# KiCad board SparkFun_BMV080_panelized.kicad_pcb (continued)
## Placement (name value [footprint] x y rotation side) (continued)
FID3#27  Fiducial_0.5mm  [Fiducial_0.5mm_Mask1mm]  128.87 84.91 270 bottom
FID3#28  Fiducial_0.5mm  [Fiducial_0.5mm_Mask1mm]  104.23 32.11 270 bottom
FID3#29  Fiducial_0.5mm  [Fiducial_0.5mm_Mask1mm]  104.23 111.31 270 bottom
FID3#30  Fiducial_0.5mm  [Fiducial_0.5mm_Mask1mm]  128.87 45.31 270 bottom
FID3#31  Fiducial_0.5mm  [Fiducial_0.5mm_Mask1mm]  153.5 45.31 270 bottom
FID3#32  Fiducial_0.5mm  [Fiducial_0.5mm_Mask1mm]  128.87 71.72 270 bottom
FID3#33  Fiducial_0.5mm  [Fiducial_0.5mm_Mask1mm]  79.61 124.52 270 bottom
FID3#34  Fiducial_0.5mm  [Fiducial_0.5mm_Mask1mm]  104.23 71.72 270 bottom
FID3#35  Fiducial_0.5mm  [Fiducial_0.5mm_Mask1mm]  128.87 18.91 270 bottom
FID3#36  Fiducial_0.5mm  [Fiducial_0.5mm_Mask1mm]  153.5 18.91 270 bottom
FID3#37  Fiducial_0.5mm  [Fiducial_0.5mm_Mask1mm]  104.23 45.31 270 bottom
FID3#38  Fiducial_0.5mm  [Fiducial_0.5mm_Mask1mm]  104.23 124.52 270 bottom
FID3#39  Fiducial_0.5mm  [Fiducial_0.5mm_Mask1mm]  128.87 32.11 270 bottom
FID3#40  Fiducial_0.5mm  [Fiducial_0.5mm_Mask1mm]  79.61 98.11 270 bottom
FID3#41  Fiducial_0.5mm  [Fiducial_0.5mm_Mask1mm]  79.61 111.31 270 bottom
FID3#42  Fiducial_0.5mm  [Fiducial_0.5mm_Mask1mm]  104.23 18.91 270 bottom
FID3#43  Fiducial_0.5mm  [Fiducial_0.5mm_Mask1mm]  104.23 84.91 270 bottom
FID3#44  Fiducial_0.5mm  [Fiducial_0.5mm_Mask1mm]  128.87 58.52 270 bottom
FID3#45  Fiducial_0.5mm  [Fiducial_0.5mm_Mask1mm]  128.87 98.11 270 bottom
FID3#46  Fiducial_0.5mm  [Fiducial_0.5mm_Mask1mm]  128.87 124.52 270 bottom
FID3#47  Fiducial_0.5mm  [Fiducial_0.5mm_Mask1mm]  153.5 32.11 270 bottom
FID3#48  Fiducial_0.5mm  [Fiducial_0.5mm_Mask1mm]  128.87 111.31 270 bottom
FID3#49  Fiducial_0.5mm  [Fiducial_0.5mm_Mask1mm]  153.5 84.91 270 bottom
FID3#50  Fiducial_0.5mm  [Fiducial_0.5mm_Mask1mm]  153.5 111.31 270 bottom
FID3#51  Fiducial_0.5mm  [Fiducial_0.5mm_Mask1mm]  153.5 124.52 270 bottom
FID3#52  Fiducial_0.5mm  [Fiducial_0.5mm_Mask1mm]  153.5 58.52 270 bottom
FID3#53  Fiducial_0.5mm  [Fiducial_0.5mm_Mask1mm]  153.5 98.11 270 bottom
FID3#54  Fiducial_0.5mm  [Fiducial_0.5mm_Mask1mm]  153.5 71.72 270 bottom
FID4  Fiducial_0.5mm  [Fiducial_0.5mm_Mask1mm]  130.63 71.72 90 top
FID4#2  Fiducial_0.5mm  [Fiducial_0.5mm_Mask1mm]  7.48 45.31 90 top
FID4#3  Fiducial_0.5mm  [Fiducial_0.5mm_Mask1mm]  7.48 71.72 90 top
FID4#4  Fiducial_0.5mm  [Fiducial_0.5mm_Mask1mm]  7.48 32.11 90 top
FID4#5  Fiducial_0.5mm  [Fiducial_0.5mm_Mask1mm]  7.48 58.52 90 top
FID4#6  Fiducial_0.5mm  [Fiducial_0.5mm_Mask1mm]  32.11 71.72 90 top
FID4#7  Fiducial_0.5mm  [Fiducial_0.5mm_Mask1mm]  56.75 71.72 90 top
FID4#8  Fiducial_0.5mm  [Fiducial_0.5mm_Mask1mm]  7.48 98.11 90 top
FID4#9  Fiducial_0.5mm  [Fiducial_0.5mm_Mask1mm]  56.75 32.11 90 top
FID4#10  Fiducial_0.5mm  [Fiducial_0.5mm_Mask1mm]  56.75 58.52 90 top
FID4#11  Fiducial_0.5mm  [Fiducial_0.5mm_Mask1mm]  32.11 45.31 90 top
FID4#12  Fiducial_0.5mm  [Fiducial_0.5mm_Mask1mm]  32.11 18.91 90 top
FID4#13  Fiducial_0.5mm  [Fiducial_0.5mm_Mask1mm]  32.11 58.52 90 top
FID4#14  Fiducial_0.5mm  [Fiducial_0.5mm_Mask1mm]  56.75 45.31 90 top
FID4#15  Fiducial_0.5mm  [Fiducial_0.5mm_Mask1mm]  7.48 124.52 90 top
FID4#16  Fiducial_0.5mm  [Fiducial_0.5mm_Mask1mm]  81.38 84.91 90 top
FID4#17  Fiducial_0.5mm  [Fiducial_0.5mm_Mask1mm]  32.11 124.52 90 top
FID4#18  Fiducial_0.5mm  [Fiducial_0.5mm_Mask1mm]  7.48 84.91 90 top
FID4#19  Fiducial_0.5mm  [Fiducial_0.5mm_Mask1mm]  7.48 111.31 90 top
FID4#20  Fiducial_0.5mm  [Fiducial_0.5mm_Mask1mm]  32.11 32.11 90 top
FID4#21  Fiducial_0.5mm  [Fiducial_0.5mm_Mask1mm]  32.11 84.91 90 top
FID4#22  Fiducial_0.5mm  [Fiducial_0.5mm_Mask1mm]  32.11 98.11 90 top
FID4#23  Fiducial_0.5mm  [Fiducial_0.5mm_Mask1mm]  32.11 111.31 90 top
FID4#24  Fiducial_0.5mm  [Fiducial_0.5mm_Mask1mm]  56.75 18.91 90 top
FID4#25  Fiducial_0.5mm  [Fiducial_0.5mm_Mask1mm]  56.75 98.11 90 top
FID4#26  Fiducial_0.5mm  [Fiducial_0.5mm_Mask1mm]  56.75 84.91 90 top
FID4#27  Fiducial_0.5mm  [Fiducial_0.5mm_Mask1mm]  81.38 18.91 90 top
FID4#28  Fiducial_0.5mm  [Fiducial_0.5mm_Mask1mm]  81.38 32.11 90 top
FID4#29  Fiducial_0.5mm  [Fiducial_0.5mm_Mask1mm]  81.38 45.31 90 top
FID4#30  Fiducial_0.5mm  [Fiducial_0.5mm_Mask1mm]  56.75 111.31 90 top
FID4#31  Fiducial_0.5mm  [Fiducial_0.5mm_Mask1mm]  81.38 58.52 90 top
FID4#32  Fiducial_0.5mm  [Fiducial_0.5mm_Mask1mm]  81.38 71.72 90 top
FID4#33  Fiducial_0.5mm  [Fiducial_0.5mm_Mask1mm]  56.75 124.52 90 top
FID4#34  Fiducial_0.5mm  [Fiducial_0.5mm_Mask1mm]  81.38 111.31 90 top
FID4#35  Fiducial_0.5mm  [Fiducial_0.5mm_Mask1mm]  106.01 58.52 90 top
FID4#36  Fiducial_0.5mm  [Fiducial_0.5mm_Mask1mm]  81.38 98.11 90 top
FID4#37  Fiducial_0.5mm  [Fiducial_0.5mm_Mask1mm]  106.01 18.91 90 top
FID4#38  Fiducial_0.5mm  [Fiducial_0.5mm_Mask1mm]  81.38 124.52 90 top
FID4#39  Fiducial_0.5mm  [Fiducial_0.5mm_Mask1mm]  106.01 71.72 90 top
FID4#40  Fiducial_0.5mm  [Fiducial_0.5mm_Mask1mm]  106.01 84.91 90 top
FID4#41  Fiducial_0.5mm  [Fiducial_0.5mm_Mask1mm]  106.01 111.31 90 top
FID4#42  Fiducial_0.5mm  [Fiducial_0.5mm_Mask1mm]  106.01 98.11 90 top
FID4#43  Fiducial_0.5mm  [Fiducial_0.5mm_Mask1mm]  106.01 124.52 90 top
FID4#44  Fiducial_0.5mm  [Fiducial_0.5mm_Mask1mm]  130.63 18.91 90 top
FID4#45  Fiducial_0.5mm  [Fiducial_0.5mm_Mask1mm]  106.01 32.11 90 top
FID4#46  Fiducial_0.5mm  [Fiducial_0.5mm_Mask1mm]  130.63 32.11 90 top
FID4#47  Fiducial_0.5mm  [Fiducial_0.5mm_Mask1mm]  130.63 45.31 90 top
FID4#48  Fiducial_0.5mm  [Fiducial_0.5mm_Mask1mm]  106.01 45.31 90 top
FID4#49  Fiducial_0.5mm  [Fiducial_0.5mm_Mask1mm]  130.63 111.31 90 top
FID4#50  Fiducial_0.5mm  [Fiducial_0.5mm_Mask1mm]  130.63 84.91 90 top
FID4#51  Fiducial_0.5mm  [Fiducial_0.5mm_Mask1mm]  130.63 98.11 90 top
FID4#52  Fiducial_0.5mm  [Fiducial_0.5mm_Mask1mm]  130.63 58.52 90 top
FID4#53  Fiducial_0.5mm  [Fiducial_0.5mm_Mask1mm]  130.63 124.52 90 top
FID4#54  Fiducial_0.5mm  [Fiducial_0.5mm_Mask1mm]  7.48 18.91 90 top
G1  OSHW_Logo  [Creative_Commons_License]  34.79 -18.55 0 top
G***  Flame  [SparkFun_Flame_2.5mm]  33.45 61.37 0 top
G***#2  Flame  [SparkFun_Flame_2.5mm]  33.45 34.97 0 top
G***#3  Flame  [SparkFun_Flame_2.5mm]  8.82 48.17 0 top
G***#4  Flame  [SparkFun_Flame_2.5mm]  8.82 61.37 0 top
G***#5  Flame  [SparkFun_Flame_2.5mm]  8.82 87.77 0 top
G***#6  Flame  [SparkFun_Flame_2.5mm]  8.82 100.97 0 top
G***#7  Flame  [SparkFun_Flame_2.5mm]  33.45 74.57 0 top
G***#8  Flame  [SparkFun_Flame_2.5mm]  33.45 8.57 0 top
G***#9  Flame  [SparkFun_Flame_2.5mm]  8.82 74.57 0 top
G***#10  Flame  [SparkFun_Flame_2.5mm]  8.82 21.77 0 top
G***#11  Flame  [SparkFun_Flame_2.5mm]  8.82 34.97 0 top
G***#12  Flame  [SparkFun_Flame_2.5mm]  8.82 114.17 0 top
G***#13  Flame  [SparkFun_Flame_2.5mm]  33.45 21.77 0 top
G***#14  Flame  [SparkFun_Flame_2.5mm]  33.45 114.17 0 top
G***#15  Flame  [SparkFun_Flame_2.5mm]  33.45 87.77 0 top
G***#16  Flame  [SparkFun_Flame_2.5mm]  58.08 34.97 0 top
G***#17  Flame  [SparkFun_Flame_2.5mm]  82.71 100.97 0 top
G***#18  Flame  [SparkFun_Flame_2.5mm]  33.45 48.17 0 top
G***#19  Flame  [SparkFun_Flame_2.5mm]  33.45 100.97 0 top
G***#20  Flame  [SparkFun_Flame_2.5mm]  58.08 21.77 0 top
G***#21  Flame  [SparkFun_Flame_2.5mm]  58.08 87.77 0 top
G***#22  Flame  [SparkFun_Flame_2.5mm]  58.08 74.57 0 top
G***#23  Flame  [SparkFun_Flame_2.5mm]  58.08 61.37 0 top
G***#24  Flame  [SparkFun_Flame_2.5mm]  82.71 8.57 0 top
G***#25  Flame  [SparkFun_Flame_2.5mm]  58.08 100.97 0 top
G***#26  Flame  [SparkFun_Flame_2.5mm]  82.71 34.97 0 top
G***#27  Flame  [SparkFun_Flame_2.5mm]  58.08 48.17 0 top
G***#28  Flame  [SparkFun_Flame_2.5mm]  82.71 21.77 0 top
G***#29  Flame  [SparkFun_Flame_2.5mm]  82.71 48.17 0 top
G***#30  Flame  [SparkFun_Flame_2.5mm]  82.71 61.37 0 top
G***#31  Flame  [SparkFun_Flame_2.5mm]  82.71 74.57 0 top
G***#32  Flame  [SparkFun_Flame_2.5mm]  58.08 114.17 0 top
G***#33  Flame  [SparkFun_Flame_2.5mm]  58.08 8.57 0 top
G***#34  Flame  [SparkFun_Flame_2.5mm]  82.71 87.77 0 top
G***#35  Flame  [SparkFun_Flame_2.5mm]  107.34 8.57 0 top
G***#36  Flame  [SparkFun_Flame_2.5mm]  107.34 87.77 0 top
G***#37  Flame  [SparkFun_Flame_2.5mm]  107.34 114.17 0 top
G***#38  Flame  [SparkFun_Flame_2.5mm]  107.34 21.77 0 top
G***#39  Flame  [SparkFun_Flame_2.5mm]  131.97 34.97 0 top
G***#40  Flame  [SparkFun_Flame_2.5mm]  131.97 61.37 0 top
G***#41  Flame  [SparkFun_Flame_2.5mm]  131.97 87.77 0 top
G***#42  Flame  [SparkFun_Flame_2.5mm]  107.34 48.17 0 top
G***#43  Flame  [SparkFun_Flame_2.5mm]  131.97 48.17 0 top
G***#44  Flame  [SparkFun_Flame_2.5mm]  107.34 34.97 0 top
G***#45  Flame  [SparkFun_Flame_2.5mm]  131.97 8.57 0 top
G***#46  Flame  [SparkFun_Flame_2.5mm]  107.34 100.97 0 top
G***#47  Flame  [SparkFun_Flame_2.5mm]  131.97 21.77 0 top
G***#48  Flame  [SparkFun_Flame_2.5mm]  107.34 74.57 0 top
G***#49  Flame  [SparkFun_Flame_2.5mm]  107.34 61.37 0 top
G***#50  Flame  [SparkFun_Flame_2.5mm]  82.71 114.17 0 top
G***#51  Flame  [SparkFun_Flame_2.5mm]  131.97 74.57 0 top
G***#52  Flame  [SparkFun_Flame_2.5mm]  131.97 100.97 0 top
G***#53  Flame  [SparkFun_Flame_2.5mm]  131.97 114.17 0 top
G***#54  Flame  [SparkFun_Flame_2.5mm]  8.82 8.57 0 top
G***#55  LOGO  [SparkFun_Logo_NoFlame_5mm]  138.38 97.79 0 top
G***#56  LOGO  [SparkFun_Logo_NoFlame_5mm]  138.38 84.59 0 top
G***#57  LOGO  [SparkFun_Logo_NoFlame_5mm]  15.23 44.99 0 top
G***#58  LOGO  [SparkFun_Logo_NoFlame_5mm]  15.23 84.59 0 top
G***#59  LOGO  [SparkFun_Logo_NoFlame_5mm]  15.23 71.39 0 top
G***#60  LOGO  [SparkFun_Logo_NoFlame_5mm]  39.86 44.99 0 top
G***#61  LOGO  [SparkFun_Logo_NoFlame_5mm]  39.86 71.39 0 top
G***#62  LOGO  [SparkFun_Logo_NoFlame_5mm]  39.86 31.79 0 top
G***#63  LOGO  [SparkFun_Logo_NoFlame_5mm]  39.86 124.19 0 top
G***#64  LOGO  [SparkFun_Logo_NoFlame_5mm]  15.23 124.19 0 top
G***#65  LOGO  [SparkFun_Logo_NoFlame_5mm]  15.23 31.79 0 top
G***#66  LOGO  [SparkFun_Logo_NoFlame_5mm]  15.23 58.19 0 top
G***#67  LOGO  [SparkFun_Logo_NoFlame_5mm]  15.23 97.79 0 top
G***#68  LOGO  [SparkFun_Logo_NoFlame_5mm]  15.23 110.99 0 top
G***#69  LOGO  [SparkFun_Logo_NoFlame_5mm]  39.86 18.59 0 top
G***#70  LOGO  [SparkFun_Logo_NoFlame_5mm]  39.86 58.19 0 top
G***#71  LOGO  [SparkFun_Logo_NoFlame_5mm]  39.86 84.59 0 top
G***#72  LOGO  [SparkFun_Logo_NoFlame_5mm]  39.86 97.79 0 top
G***#73  LOGO  [SparkFun_Logo_NoFlame_5mm]  39.86 110.99 0 top
G***#74  LOGO  [SparkFun_Logo_NoFlame_5mm]  89.12 31.79 0 top
G***#75  LOGO  [SparkFun_Logo_NoFlame_5mm]  64.49 58.19 0 top
G***#76  LOGO  [SparkFun_Logo_NoFlame_5mm]  89.12 110.99 0 top
G***#77  LOGO  [SparkFun_Logo_NoFlame_5mm]  64.49 84.59 0 top
G***#78  LOGO  [SparkFun_Logo_NoFlame_5mm]  64.49 44.99 0 top
G***#79  LOGO  [SparkFun_Logo_NoFlame_5mm]  89.12 44.99 0 top
G***#80  LOGO  [SparkFun_Logo_NoFlame_5mm]  89.12 58.19 0 top
G***#81  LOGO  [SparkFun_Logo_NoFlame_5mm]  64.49 71.39 0 top
G***#82  LOGO  [SparkFun_Logo_NoFlame_5mm]  89.12 84.59 0 top
G***#83  LOGO  [SparkFun_Logo_NoFlame_5mm]  64.49 18.59 0 top
G***#84  LOGO  [SparkFun_Logo_NoFlame_5mm]  64.49 110.99 0 top
G***#85  LOGO  [SparkFun_Logo_NoFlame_5mm]  89.12 124.19 0 top
G***#86  LOGO  [SparkFun_Logo_NoFlame_5mm]  89.12 71.39 0 top
G***#87  LOGO  [SparkFun_Logo_NoFlame_5mm]  113.75 18.59 0 top
G***#88  LOGO  [SparkFun_Logo_NoFlame_5mm]  64.49 97.79 0 top
G***#89  LOGO  [SparkFun_Logo_NoFlame_5mm]  64.49 31.79 0 top
G***#90  LOGO  [SparkFun_Logo_NoFlame_5mm]  89.12 18.59 0 top
G***#91  LOGO  [SparkFun_Logo_NoFlame_5mm]  64.49 124.19 0 top
G***#92  LOGO  [SparkFun_Logo_NoFlame_5mm]  89.12 97.79 0 top
G***#93  LOGO  [SparkFun_Logo_NoFlame_5mm]  113.75 97.79 0 top
G***#94  LOGO  [SparkFun_Logo_NoFlame_5mm]  138.38 110.99 0 top
G***#95  LOGO  [SparkFun_Logo_NoFlame_5mm]  113.75 84.59 0 top
G***#96  LOGO  [SparkFun_Logo_NoFlame_5mm]  138.38 31.79 0 top
G***#97  LOGO  [SparkFun_Logo_NoFlame_5mm]  138.38 44.99 0 top
G***#98  LOGO  [SparkFun_Logo_NoFlame_5mm]  113.75 44.99 0 top
G***#99  LOGO  [SparkFun_Logo_NoFlame_5mm]  113.75 31.79 0 top
G***#100  LOGO  [SparkFun_Logo_NoFlame_5mm]  113.75 58.19 0 top
G***#101  LOGO  [SparkFun_Logo_NoFlame_5mm]  113.75 110.99 0 top
G***#102  LOGO  [SparkFun_Logo_NoFlame_5mm]  138.38 18.59 0 top
G***#103  LOGO  [SparkFun_Logo_NoFlame_5mm]  138.38 58.19 0 top
G***#104  LOGO  [SparkFun_Logo_NoFlame_5mm]  113.75 71.39 0 top
G***#105  LOGO  [SparkFun_Logo_NoFlame_5mm]  138.38 71.39 0 top
G***#106  LOGO  [SparkFun_Logo_NoFlame_5mm]  113.75 124.19 0 top
G***#107  LOGO  [SparkFun_Logo_NoFlame_5mm]  138.38 124.19 0 top
G***#108  LOGO  [SparkFun_Logo_NoFlame_5mm]  15.23 18.59 0 top
G***#109  LOGO  [qwiic_4mm]  9.12 17.33 180 bottom
G***#110  LOGO  [qwiic_4mm]  9.12 70.13 180 bottom
G***#111  LOGO  [qwiic_4mm]  9.12 96.53 180 bottom
G***#112  LOGO  [qwiic_4mm]  9.12 56.93 180 bottom
G***#113  LOGO  [qwiic_4mm]  33.75 56.93 180 bottom
G***#114  LOGO  [qwiic_4mm]  33.75 83.33 180 bottom
G***#115  LOGO  [qwiic_4mm]  33.75 109.73 180 bottom
G***#116  LOGO  [qwiic_4mm]  58.38 17.33 180 bottom
G***#117  LOGO  [qwiic_4mm]  58.38 43.73 180 bottom
G***#118  LOGO  [qwiic_4mm]  9.12 122.93 180 bottom
G***#119  LOGO  [qwiic_4mm]  33.75 43.73 180 bottom
G***#120  LOGO  [qwiic_4mm]  9.12 30.53 180 bottom
G***#121  LOGO  [qwiic_4mm]  9.12 109.73 180 bottom
G***#122  LOGO  [qwiic_4mm]  9.12 43.73 180 bottom
G***#123  LOGO  [qwiic_4mm]  9.12 83.33 180 bottom
G***#124  LOGO  [qwiic_4mm]  33.75 17.33 180 bottom
G***#125  LOGO  [qwiic_4mm]  33.75 30.53 180 bottom
G***#126  LOGO  [qwiic_4mm]  33.75 70.13 180 bottom
G***#127  LOGO  [qwiic_4mm]  33.75 96.53 180 bottom
G***#128  LOGO  [qwiic_4mm]  33.75 122.93 180 bottom
G***#129  LOGO  [qwiic_4mm]  58.38 30.53 180 bottom
G***#130  LOGO  [qwiic_4mm]  83.01 122.93 180 bottom
G***#131  LOGO  [qwiic_4mm]  107.64 43.73 180 bottom
G***#132  LOGO  [qwiic_4mm]  107.64 70.13 180 bottom
G***#133  LOGO  [qwiic_4mm]  58.38 96.53 180 bottom
G***#134  LOGO  [qwiic_4mm]  83.01 17.33 180 bottom
G***#135  LOGO  [qwiic_4mm]  107.64 17.33 180 bottom
G***#136  LOGO  [qwiic_4mm]  58.38 83.33 180 bottom
G***#137  LOGO  [qwiic_4mm]  83.01 30.53 180 bottom
G***#138  LOGO  [qwiic_4mm]  83.01 43.73 180 bottom
G***#139  LOGO  [qwiic_4mm]  58.38 122.93 180 bottom
G***#140  LOGO  [qwiic_4mm]  83.01 109.73 180 bottom
G***#141  LOGO  [qwiic_4mm]  83.01 70.13 180 bottom
G***#142  LOGO  [qwiic_4mm]  58.38 109.73 180 bottom
G***#143  LOGO  [qwiic_4mm]  58.38 56.93 180 bottom
G***#144  LOGO  [qwiic_4mm]  83.01 56.93 180 bottom
G***#145  LOGO  [qwiic_4mm]  83.01 83.33 180 bottom
G***#146  LOGO  [qwiic_4mm]  83.01 96.53 180 bottom
G***#147  LOGO  [qwiic_4mm]  58.38 70.13 180 bottom
G***#148  LOGO  [qwiic_4mm]  107.64 30.53 180 bottom
G***#149  LOGO  [qwiic_4mm]  107.64 56.93 180 bottom
G***#150  LOGO  [qwiic_4mm]  107.64 109.73 180 bottom
G***#151  LOGO  [qwiic_4mm]  132.27 109.73 180 bottom
G***#152  LOGO  [qwiic_4mm]  107.64 96.53 180 bottom
G***#153  LOGO  [qwiic_4mm]  132.27 17.33 180 bottom
G***#154  LOGO  [qwiic_4mm]  132.27 56.93 180 bottom
G***#155  LOGO  [qwiic_4mm]  132.27 70.13 180 bottom
G***#156  LOGO  [qwiic_4mm]  132.27 83.33 180 bottom
G***#157  LOGO  [qwiic_4mm]  132.27 96.53 180 bottom
G***#158  LOGO  [qwiic_4mm]  107.64 83.33 180 bottom
G***#159  LOGO  [qwiic_4mm]  132.27 122.93 180 bottom
G***#160  LOGO  [qwiic_4mm]  107.64 122.93 180 bottom
G***#161  LOGO  [qwiic_4mm]  132.27 43.73 180 bottom
G***#162  LOGO  [qwiic_4mm]  132.27 30.53 180 bottom
J1  Qwiic_RA  [JST_SMD_1.0mm-4_RA]  11.93 13.2 90 bottom
J1#2  Qwiic_RA  [JST_SMD_1.0mm-4_RA]  11.93 39.6 90 bottom
J1#3  Qwiic_RA  [JST_SMD_1.0mm-4_RA]  11.93 26.4 90 bottom
J1#4  Qwiic_RA  [JST_SMD_1.0mm-4_RA]  11.93 52.8 90 bottom
J1#5  Qwiic_RA  [JST_SMD_1.0mm-4_RA]  11.93 66 90 bottom
J1#6  Qwiic_RA  [JST_SMD_1.0mm-4_RA]  11.93 79.2 90 bottom
J1#7  Qwiic_RA  [JST_SMD_1.0mm-4_RA]  11.93 105.6 90 bottom
J1#8  Qwiic_RA  [JST_SMD_1.0mm-4_RA]  11.93 118.8 90 bottom
J1#9  Qwiic_RA  [JST_SMD_1.0mm-4_RA]  36.56 13.2 90 bottom
J1#10  Qwiic_RA  [JST_SMD_1.0mm-4_RA]  36.56 26.4 90 bottom
J1#11  Qwiic_RA  [JST_SMD_1.0mm-4_RA]  36.56 39.6 90 bottom
J1#12  Qwiic_RA  [JST_SMD_1.0mm-4_RA]  36.56 52.8 90 bottom
J1#13  Qwiic_RA  [JST_SMD_1.0mm-4_RA]  11.93 92.4 90 bottom
J1#14  Qwiic_RA  [JST_SMD_1.0mm-4_RA]  61.19 66 90 bottom
J1#15  Qwiic_RA  [JST_SMD_1.0mm-4_RA]  85.82 52.8 90 bottom
J1#16  Qwiic_RA  [JST_SMD_1.0mm-4_RA]  85.82 66 90 bottom
J1#17  Qwiic_RA  [JST_SMD_1.0mm-4_RA]  61.19 52.8 90 bottom
J1#18  Qwiic_RA  [JST_SMD_1.0mm-4_RA]  61.19 79.2 90 bottom
J1#19  Qwiic_RA  [JST_SMD_1.0mm-4_RA]  36.56 79.2 90 bottom
J1#20  Qwiic_RA  [JST_SMD_1.0mm-4_RA]  61.19 92.4 90 bottom
J1#21  Qwiic_RA  [JST_SMD_1.0mm-4_RA]  61.19 13.2 90 bottom
J1#22  Qwiic_RA  [JST_SMD_1.0mm-4_RA]  85.82 26.4 90 bottom
J1#23  Qwiic_RA  [JST_SMD_1.0mm-4_RA]  61.19 39.6 90 bottom
J1#24  Qwiic_RA  [JST_SMD_1.0mm-4_RA]  61.19 26.4 90 bottom
J1#25  Qwiic_RA  [JST_SMD_1.0mm-4_RA]  85.82 13.2 90 bottom
J1#26  Qwiic_RA  [JST_SMD_1.0mm-4_RA]  36.56 92.4 90 bottom
J1#27  Qwiic_RA  [JST_SMD_1.0mm-4_RA]  36.56 105.6 90 bottom
J1#28  Qwiic_RA  [JST_SMD_1.0mm-4_RA]  61.19 105.6 90 bottom
J1#29  Qwiic_RA  [JST_SMD_1.0mm-4_RA]  85.82 39.6 90 bottom
J1#30  Qwiic_RA  [JST_SMD_1.0mm-4_RA]  36.56 118.8 90 bottom
J1#31  Qwiic_RA  [JST_SMD_1.0mm-4_RA]  36.56 66 90 bottom
J1#32  Qwiic_RA  [JST_SMD_1.0mm-4_RA]  61.19 118.8 90 bottom
J1#33  Qwiic_RA  [JST_SMD_1.0mm-4_RA]  110.45 118.8 90 bottom
J1#34  Qwiic_RA  [JST_SMD_1.0mm-4_RA]  110.45 52.8 90 bottom
J1#35  Qwiic_RA  [JST_SMD_1.0mm-4_RA]  110.45 26.4 90 bottom
J1#36  Qwiic_RA  [JST_SMD_1.0mm-4_RA]  110.45 92.4 90 bottom
J1#37  Qwiic_RA  [JST_SMD_1.0mm-4_RA]  110.45 105.6 90 bottom
J1#38  Qwiic_RA  [JST_SMD_1.0mm-4_RA]  110.45 79.2 90 bottom
J1#39  Qwiic_RA  [JST_SMD_1.0mm-4_RA]  135.08 92.4 90 bottom
J1#40  Qwiic_RA  [JST_SMD_1.0mm-4_RA]  135.08 66 90 bottom
J1#41  Qwiic_RA  [JST_SMD_1.0mm-4_RA]  85.82 79.2 90 bottom
J1#42  Qwiic_RA  [JST_SMD_1.0mm-4_RA]  110.45 13.2 90 bottom
J1#43  Qwiic_RA  [JST_SMD_1.0mm-4_RA]  135.08 105.6 90 bottom
J1#44  Qwiic_RA  [JST_SMD_1.0mm-4_RA]  135.08 118.8 90 bottom
J1#45  Qwiic_RA  [JST_SMD_1.0mm-4_RA]  85.82 105.6 90 bottom
J1#46  Qwiic_RA  [JST_SMD_1.0mm-4_RA]  110.45 66 90 bottom
J1#47  Qwiic_RA  [JST_SMD_1.0mm-4_RA]  85.82 118.8 90 bottom
J1#48  Qwiic_RA  [JST_SMD_1.0mm-4_RA]  85.82 92.4 90 bottom
J1#49  Qwiic_RA  [JST_SMD_1.0mm-4_RA]  110.45 39.6 90 bottom
J1#50  Qwiic_RA  [JST_SMD_1.0mm-4_RA]  135.08 13.2 90 bottom
J1#51  Qwiic_RA  [JST_SMD_1.0mm-4_RA]  135.08 52.8 90 bottom
J1#52  Qwiic_RA  [JST_SMD_1.0mm-4_RA]  135.08 79.2 90 bottom
J1#53  Qwiic_RA  [JST_SMD_1.0mm-4_RA]  135.08 26.4 90 bottom
J1#54  Qwiic_RA  [JST_SMD_1.0mm-4_RA]  135.08 39.6 90 bottom
J2  Conn_01x07  [1x07]  11.3 8.75 0 top
J2#2  Conn_01x07  [1x07]  35.92 8.75 0 top
J2#3  Conn_01x07  [1x07]  35.92 35.16 0 top
J2#4  Conn_01x07  [1x07]  11.3 61.55 0 top
J2#5  Conn_01x07  [1x07]  35.92 74.75 0 top
J2#6  Conn_01x07  [1x07]  11.3 74.75 0 top
J2#7  Conn_01x07  [1x07]  11.3 35.16 0 top
J2#8  Conn_01x07  [1x07]  11.3 21.95 0 top
J2#9  Conn_01x07  [1x07]  11.3 87.95 0 top
J2#10  Conn_01x07  [1x07]  11.3 48.35 0 top
J2#11  Conn_01x07  [1x07]  11.3 101.16 0 top
J2#12  Conn_01x07  [1x07]  11.3 114.36 0 top
J2#13  Conn_01x07  [1x07]  35.92 21.95 0 top
J2#14  Conn_01x07  [1x07]  35.92 48.35 0 top
J2#15  Conn_01x07  [1x07]  35.92 61.55 0 top
J2#16  Conn_01x07  [1x07]  60.55 48.35 0 top
J2#17  Conn_01x07  [1x07]  85.19 61.55 0 top
J2#18  Conn_01x07  [1x07]  60.55 21.95 0 top
J2#19  Conn_01x07  [1x07]  35.92 101.16 0 top
J2#20  Conn_01x07  [1x07]  35.92 114.36 0 top
J2#21  Conn_01x07  [1x07]  60.55 8.75 0 top
J2#22  Conn_01x07  [1x07]  60.55 74.75 0 top
J2#23  Conn_01x07  [1x07]  35.92 87.95 0 top
J2#24  Conn_01x07  [1x07]  60.55 101.16 0 top
J2#25  Conn_01x07  [1x07]  85.19 8.75 0 top
J2#26  Conn_01x07  [1x07]  60.55 87.95 0 top
J2#27  Conn_01x07  [1x07]  85.19 21.95 0 top
J2#28  Conn_01x07  [1x07]  85.19 48.35 0 top
J2#29  Conn_01x07  [1x07]  85.19 74.75 0 top
J2#30  Conn_01x07  [1x07]  60.55 61.55 0 top
J2#31  Conn_01x07  [1x07]  60.55 114.36 0 top
J2#32  Conn_01x07  [1x07]  85.19 35.16 0 top
J2#33  Conn_01x07  [1x07]  60.55 35.16 0 top
J2#34  Conn_01x07  [1x07]  85.19 87.95 0 top
J2#35  Conn_01x07  [1x07]  85.19 101.16 0 top
J2#36  Conn_01x07  [1x07]  85.19 114.36 0 top
J2#37  Conn_01x07  [1x07]  134.44 61.55 0 top
J2#38  Conn_01x07  [1x07]  109.82 48.35 0 top
J2#39  Conn_01x07  [1x07]  134.44 8.75 0 top
J2#40  Conn_01x07  [1x07]  109.82 35.16 0 top
J2#41  Conn_01x07  [1x07]  134.44 35.16 0 top
J2#42  Conn_01x07  [1x07]  109.82 21.95 0 top
J2#43  Conn_01x07  [1x07]  109.82 74.75 0 top
J2#44  Conn_01x07  [1x07]  109.82 87.95 0 top
J2#45  Conn_01x07  [1x07]  109.82 114.36 0 top
J2#46  Conn_01x07  [1x07]  134.44 21.95 0 top
J2#47  Conn_01x07  [1x07]  134.44 48.35 0 top
J2#48  Conn_01x07  [1x07]  134.44 74.75 0 top
J2#49  Conn_01x07  [1x07]  134.44 87.95 0 top
J2#50  Conn_01x07  [1x07]  109.82 61.55 0 top
J2#51  Conn_01x07  [1x07]  134.44 101.16 0 top
J2#52  Conn_01x07  [1x07]  109.82 101.16 0 top
J2#53  Conn_01x07  [1x07]  134.44 114.36 0 top
J2#54  Conn_01x07  [1x07]  109.82 8.75 0 top
JP1  MODE  [Jumper_3_NC-1_Trace_NoSilk]  18.69 17.37 180 bottom
JP1#2  MODE  [Jumper_3_NC-1_Trace_NoSilk]  18.69 56.97 180 bottom
JP1#3  MODE  [Jumper_3_NC-1_Trace_NoSilk]  18.69 43.77 180 bottom
JP1#4  MODE  [Jumper_3_NC-1_Trace_NoSilk]  18.69 83.37 180 bottom
JP1#5  MODE  [Jumper_3_NC-1_Trace_NoSilk]  18.69 96.57 180 bottom
JP1#6  MODE  [Jumper_3_NC-1_Trace_NoSilk]  18.69 30.57 180 bottom
JP1#7  MODE  [Jumper_3_NC-1_Trace_NoSilk]  18.69 70.17 180 bottom
JP1#8  MODE  [Jumper_3_NC-1_Trace_NoSilk]  43.32 109.77 180 bottom
JP1#9  MODE  [Jumper_3_NC-1_Trace_NoSilk]  43.32 30.57 180 bottom
JP1#10  MODE  [Jumper_3_NC-1_Trace_NoSilk]  18.69 109.77 180 bottom
JP1#11  MODE  [Jumper_3_NC-1_Trace_NoSilk]  18.69 122.97 180 bottom
JP1#12  MODE  [Jumper_3_NC-1_Trace_NoSilk]  43.32 17.37 180 bottom
JP1#13  MODE  [Jumper_3_NC-1_Trace_NoSilk]  43.32 56.97 180 bottom
JP1#14  MODE  [Jumper_3_NC-1_Trace_NoSilk]  92.58 56.97 180 bottom
JP1#15  MODE  [Jumper_3_NC-1_Trace_NoSilk]  43.32 96.57 180 bottom
JP1#16  MODE  [Jumper_3_NC-1_Trace_NoSilk]  43.32 83.37 180 bottom
JP1#17  MODE  [Jumper_3_NC-1_Trace_NoSilk]  67.95 56.97 180 bottom
JP1#18  MODE  [Jumper_3_NC-1_Trace_NoSilk]  67.95 30.57 180 bottom
JP1#19  MODE  [Jumper_3_NC-1_Trace_NoSilk]  43.32 70.17 180 bottom
JP1#20  MODE  [Jumper_3_NC-1_Trace_NoSilk]  67.95 70.17 180 bottom
JP1#21  MODE  [Jumper_3_NC-1_Trace_NoSilk]  43.32 43.77 180 bottom
JP1#22  MODE  [Jumper_3_NC-1_Trace_NoSilk]  67.95 109.77 180 bottom
JP1#23  MODE  [Jumper_3_NC-1_Trace_NoSilk]  92.58 17.37 180 bottom
JP1#24  MODE  [Jumper_3_NC-1_Trace_NoSilk]  92.58 43.77 180 bottom
JP1#25  MODE  [Jumper_3_NC-1_Trace_NoSilk]  92.58 30.57 180 bottom
JP1#26  MODE  [Jumper_3_NC-1_Trace_NoSilk]  67.95 83.37 180 bottom
JP1#27  MODE  [Jumper_3_NC-1_Trace_NoSilk]  67.95 96.57 180 bottom
JP1#28  MODE  [Jumper_3_NC-1_Trace_NoSilk]  67.95 17.37 180 bottom
JP1#29  MODE  [Jumper_3_NC-1_Trace_NoSilk]  67.95 43.77 180 bottom
JP1#30  MODE  [Jumper_3_NC-1_Trace_NoSilk]  67.95 122.97 180 bottom
JP1#31  MODE  [Jumper_3_NC-1_Trace_NoSilk]  43.32 122.97 180 bottom
JP1#32  MODE  [Jumper_3_NC-1_Trace_NoSilk]  141.84 56.97 180 bottom
JP1#33  MODE  [Jumper_3_NC-1_Trace_NoSilk]  92.58 122.97 180 bottom
JP1#34  MODE  [Jumper_3_NC-1_Trace_NoSilk]  117.21 56.97 180 bottom
JP1#35  MODE  [Jumper_3_NC-1_Trace_NoSilk]  117.21 96.57 180 bottom
JP1#36  MODE  [Jumper_3_NC-1_Trace_NoSilk]  117.21 70.17 180 bottom
JP1#37  MODE  [Jumper_3_NC-1_Trace_NoSilk]  92.58 83.37 180 bottom
JP1#38  MODE  [Jumper_3_NC-1_Trace_NoSilk]  92.58 96.57 180 bottom
JP1#39  MODE  [Jumper_3_NC-1_Trace_NoSilk]  92.58 109.77 180 bottom
JP1#40  MODE  [Jumper_3_NC-1_Trace_NoSilk]  117.21 17.37 180 bottom
JP1#41  MODE  [Jumper_3_NC-1_Trace_NoSilk]  117.21 43.77 180 bottom
JP1#42  MODE  [Jumper_3_NC-1_Trace_NoSilk]  92.58 70.17 180 bottom
JP1#43  MODE  [Jumper_3_NC-1_Trace_NoSilk]  141.84 17.37 180 bottom
JP1#44  MODE  [Jumper_3_NC-1_Trace_NoSilk]  117.21 109.77 180 bottom
JP1#45  MODE  [Jumper_3_NC-1_Trace_NoSilk]  141.84 30.57 180 bottom
JP1#46  MODE  [Jumper_3_NC-1_Trace_NoSilk]  117.21 122.97 180 bottom
JP1#47  MODE  [Jumper_3_NC-1_Trace_NoSilk]  117.21 30.57 180 bottom
JP1#48  MODE  [Jumper_3_NC-1_Trace_NoSilk]  117.21 83.37 180 bottom
JP1#49  MODE  [Jumper_3_NC-1_Trace_NoSilk]  141.84 43.77 180 bottom
JP1#50  MODE  [Jumper_3_NC-1_Trace_NoSilk]  141.84 96.57 180 bottom
JP1#51  MODE  [Jumper_3_NC-1_Trace_NoSilk]  141.84 70.17 180 bottom
JP1#52  MODE  [Jumper_3_NC-1_Trace_NoSilk]  141.84 109.77 180 bottom
JP1#53  MODE  [Jumper_3_NC-1_Trace_NoSilk]  141.84 122.97 180 bottom
JP1#54  MODE  [Jumper_3_NC-1_Trace_NoSilk]  141.84 83.37 180 bottom
JP2  AB0  [Jumper_3_NC-1_Trace_NoSilk]  15.51 14.07 0 bottom
JP2#2  AB0  [Jumper_3_NC-1_Trace_NoSilk]  15.51 27.27 0 bottom
JP2#3  AB0  [Jumper_3_NC-1_Trace_NoSilk]  15.51 53.67 0 bottom
JP2#4  AB0  [Jumper_3_NC-1_Trace_NoSilk]  15.51 93.27 0 bottom
JP2#5  AB0  [Jumper_3_NC-1_Trace_NoSilk]  15.51 119.67 0 bottom
JP2#6  AB0  [Jumper_3_NC-1_Trace_NoSilk]  40.14 27.27 0 bottom
